# Altium PCB ADS131A04.PcbDoc
Units mil, origin at the board's own origin, x right, y up, seen from the top; angles counter-clockwise.
Board outline 2190 x 1496.06 mil, 2 copper layers (Top Layer, Bottom Layer); 74 components, 47 nets, 208 pads, 290 vias.
Unrouted connection lines stored in the file: 46.
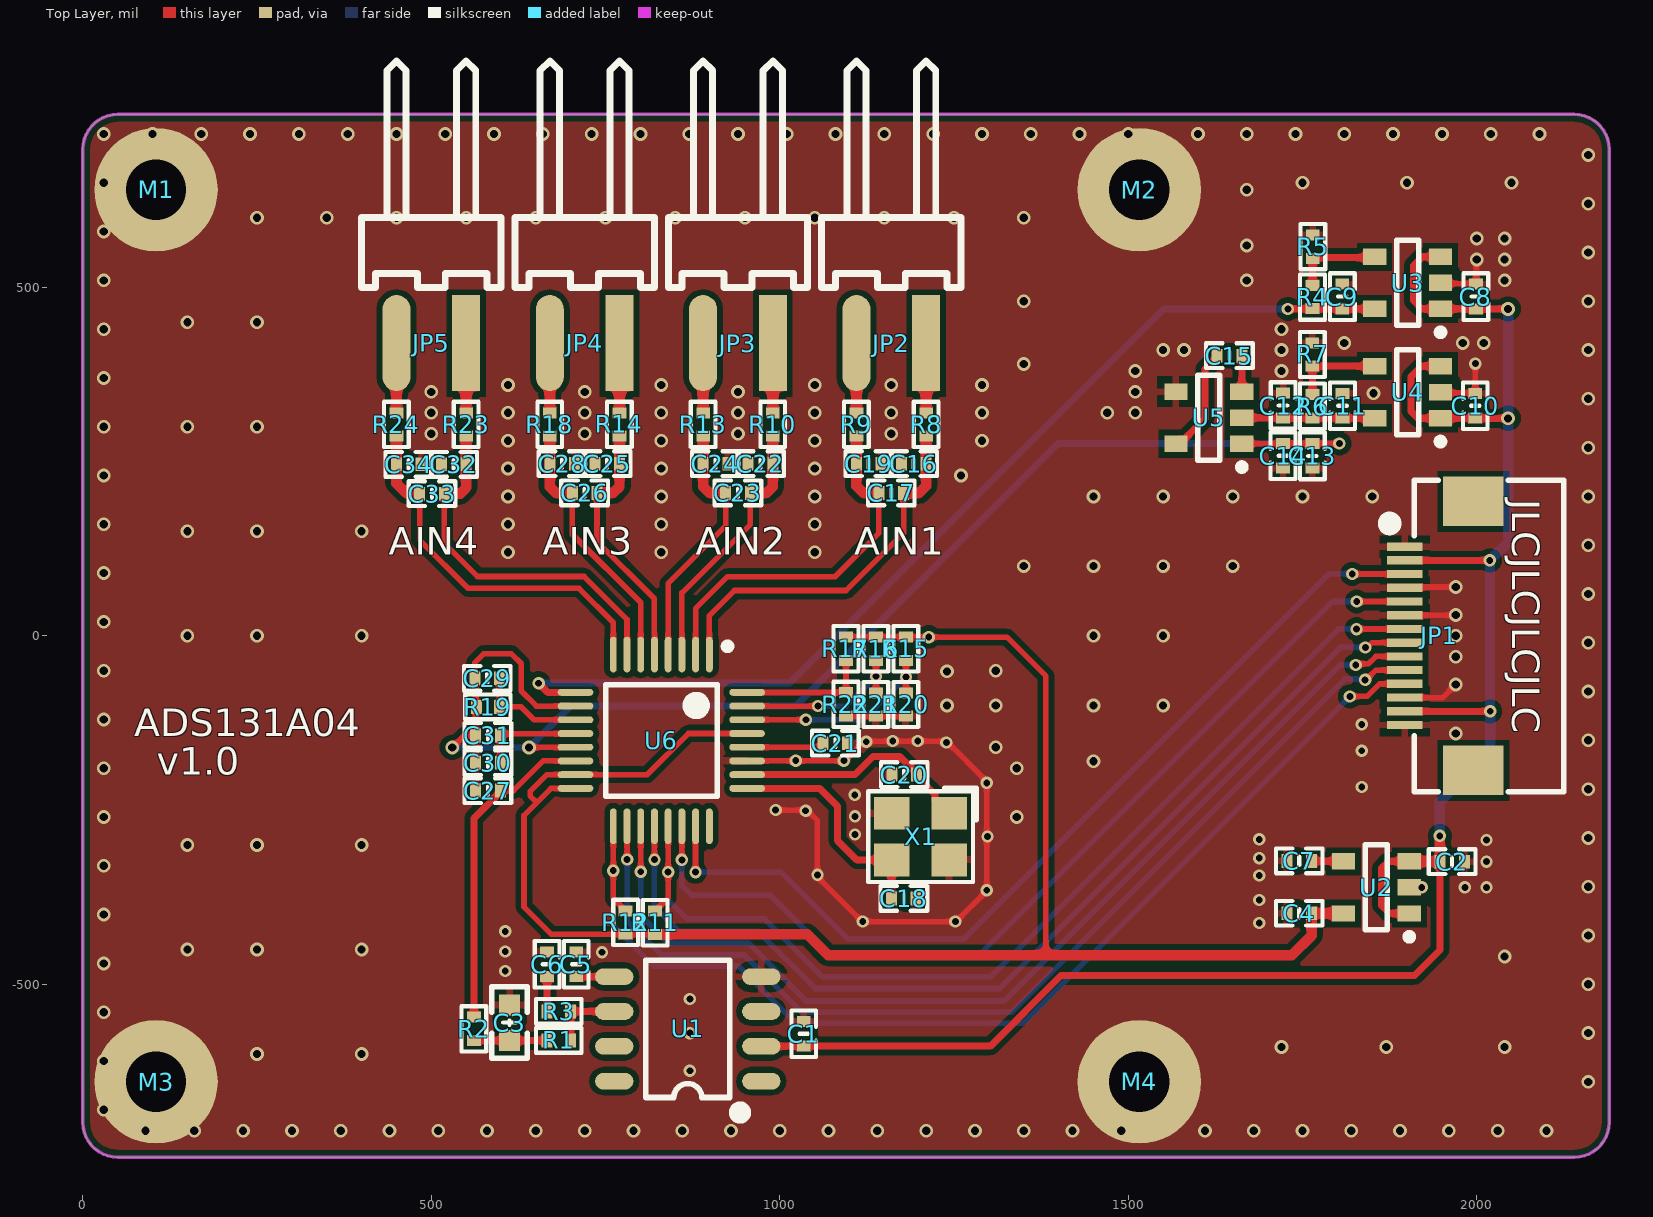
[diagram p0: Top Layer view]
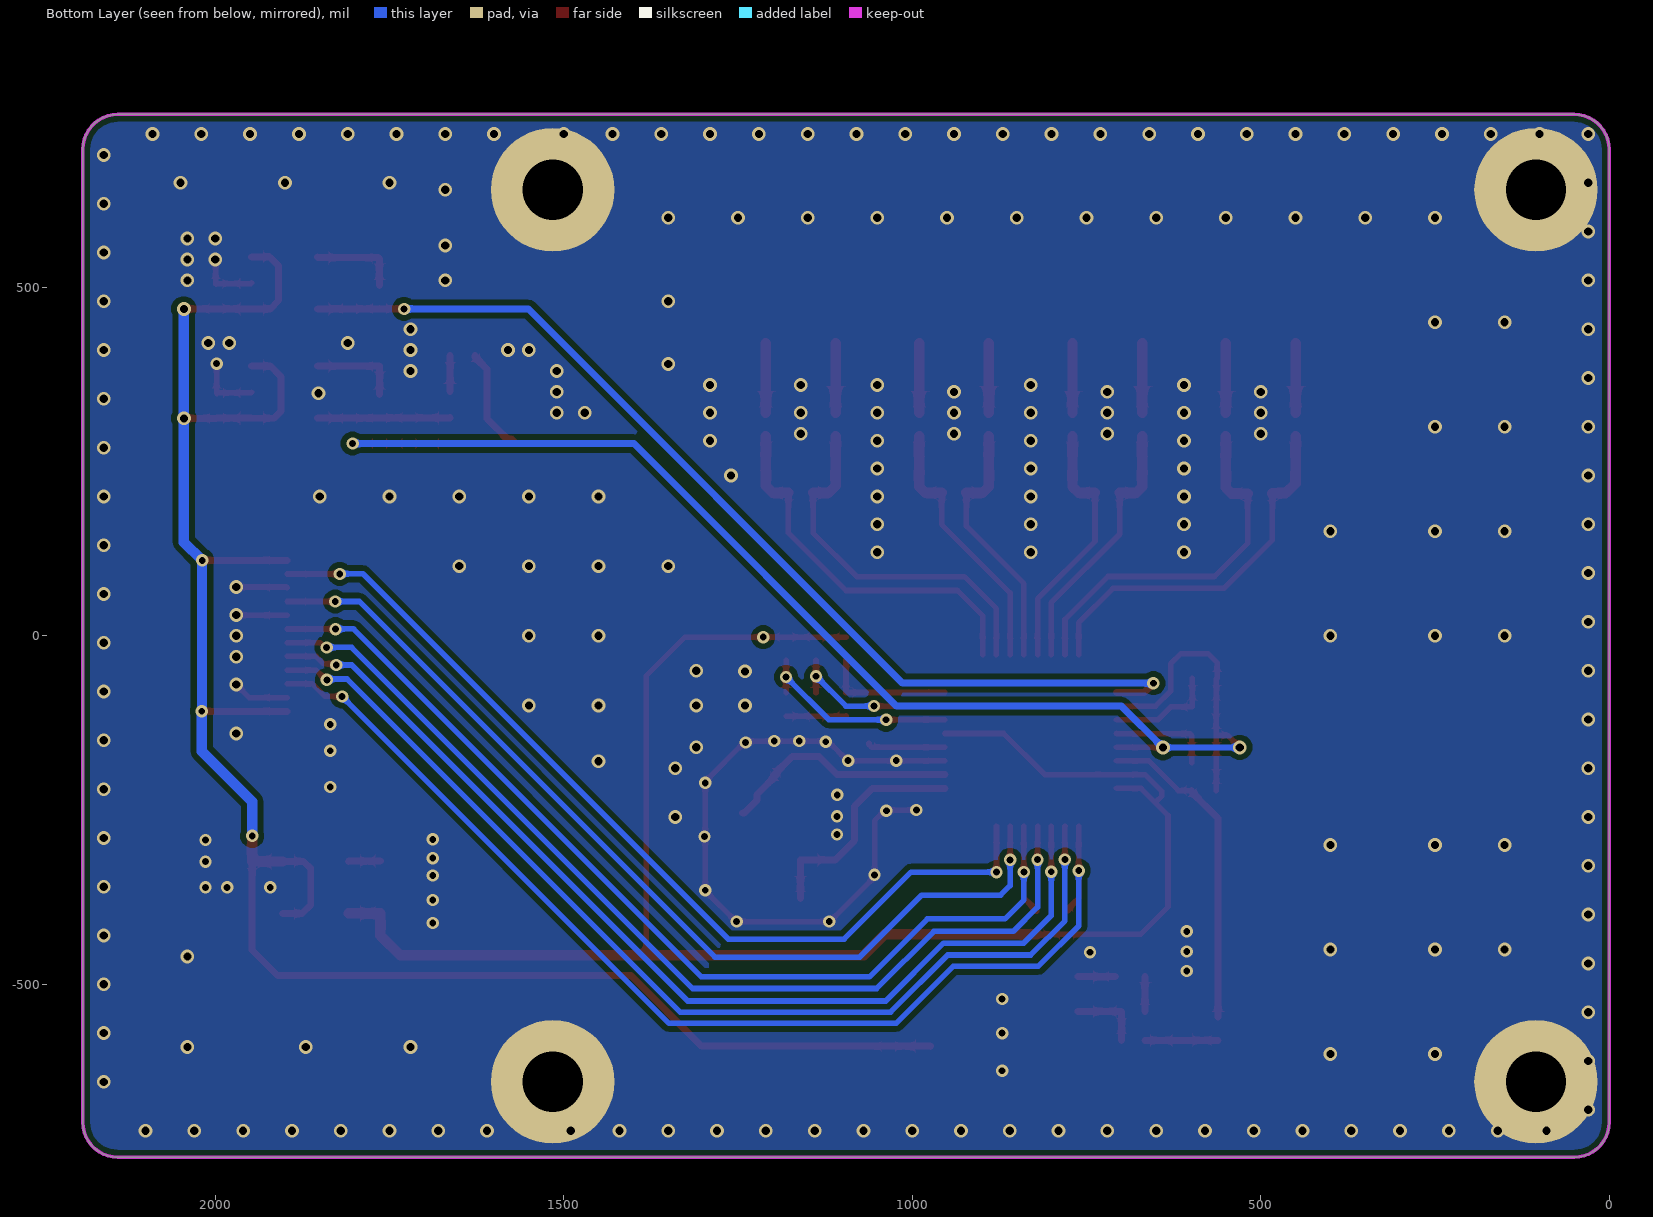
[diagram p1: Bottom Layer view, seen from below]

## Layer stack, top to bottom
Top Solder: solder mask 0.4, Solder Resist, Dk 3.5
Top Layer: signal copper 1.4
Dielectric 1: dielectric 12.6, FR-4, Dk 4.8
Bottom Layer: signal copper 1.4
Bottom Solder: solder mask 0.4, Solder Resist, Dk 3.5

## Board outline
50,-748.03 cw(c50,-698.03) 0,-698.03 0,698.03 cw(c50,698.03) 50,748.03 2140,748.03 cw(c2140,698.03) 2190,698.03 2190,-698.03 cw(c2140,-698.03) 2140,-748.03

## Design rules (kind name [scope] priority, off if disabled: settings)
Clearance Clearance_1 [InPolygon] p1: gap=8 ignorepadtopadclearanceinfootprint=FALSE
Clearance [All] p2: gap=6 ignorepadtopadclearanceinfootprint=FALSE
MinimumSolderMaskSliver [All] p1: minsoldermaskwidth=0
PolygonConnect M2 [HasFootprint('M2')] p1: connectstyle=Direct reliefconductorwidth=10 reliefentries=4 polygonreliefangle="90 Angle" airgapwidth=10
PolygonConnect [All] p2: thpad.connectstyle=Relief thpad.reliefconductorwidth=10 thpad.reliefentries=4 thpad.polygonreliefangle="90 Angle" thpad.airgapwidth=10 smdpad.connectstyle=Relief smdpad.reliefconductorwidth=10 smdpad.reliefentries=4 smdpad.polygonreliefangle="90 Angle" smdpad.airgapwidth=10 via.connectstyle=Direct via.reliefconductorwidth=10 via.reliefentries=4 via.polygonreliefangle="90 Angle" via.airgapwidth=10
RoutingVias [All] p1: holewidth=9.84 width=17.72 viastyle="Through Hole" minholewidth=9.84 minwidth=17.72 maxholewidth=23.62 maxwidth=31.5
SilkToSilkClearance [All] p1: silktosilkclearance=0
SilkToSolderMaskClearance [IsPad] p1: minsilkscreentomaskgap=0 clearancetoexposedcopper=TRUE
SolderMaskExpansion [IsVia] p1: expansion=4 istentingtop=TRUE useseparateexpansions=TRUE expansionbottom=4 istentingbottom=TRUE
Width [All] p1: maxlimit=50 minlimit=6 preferedwidth=6
27 further rules are at their usual default settings.

## Classes and differential pairs
component class Power: C1 C2 C3 C4 C5 C6 C7 C8 C9 C10 C11 C12 C13 C14 C15 JP1 M1 M2 M3 M4 R1 R2 R3 R4 R5 R6 R7 U1 U2 U3 U4 U5
component class ADS131A04: C16 C17 C18 C19 C20 C21 C22 C23 C24 C25 C26 C27 C28 C29 C30 C31 C32 C33 C34 JP2 JP3 JP4 JP5 R8 R9 R10 R11 R12 R13 R14 R15 R16 R17 R18 R19 R20 R21 R22 R23 R24 U6 X1

## Components (designator, comment, footprint, x,y, rotation, side; value= is the part's Value field where it differs from the comment)
C1 "1uF" C0402_L 1034.42,-570.99 r270 top
C2 "1uF" C0402_L 1964.71,-324 r180 top
C3 "10uF" C0603_L 612.32,-555 r270 top
C4 "1uF" C0402_L 1745.29,-398 r0 top
C5 "1000pF" C0402_L 708,-471.29 r270 top
C6 "1uF" C0402_L 666,-471.29 r270 top
C7 "10nF" C0402_L 1745.29,-323 r0 top
C8 "1uF" C0402_L 1998.79,486.8 r270 top
C9 "1uF" C0402_L 1807.15,486.82 r270 top
C10 "1uF" C0402_L 1997.91,329.99 r270 top
C11 "1uF" C0402_L 1807.39,330.04 r270 top
C12 "0.01uF" C0402_L 1722.04,330.45 r270 top
C13 "1uF" C0402_L 1764.26,258.22 r90 top
C14 "0.01uF" C0402_L 1722.02,258.36 r90 top
C15 "1uF" C0402_L 1645.22,401.99 r180 top
C16 "100pF" C0402_L 1192.29,247 r0 top
C17 "4.7nF" C0402_L 1160,205 r0 top
C18 "30pF" C0402_L 1178.03,-376.82 r0 top
C19 "100pF" C0402_L 1127.72,247 r0 top
C20 "30pF" C0402_L 1178.5,-199.07 r180 top
C21 "1uF" C0402_L 1079.72,-154 r0 top
C22 "100pF" C0402_L 972.29,247 r0 top
C23 "4.7nF" C0402_L 940,205 r0 top
C24 "100pF" C0402_L 907.72,247 r0 top
C25 "100pF" C0402_L 752.29,247 r0 top
C26 "4.7nF" C0402_L 720,205 r0 top
C27 "1uF" C0402_L 581.28,-222 r180 top
C28 "100pF" C0402_L 687.72,247 r0 top
C29 "270nF" C0402_L 580.28,-61 r180 top
C30 "1uF" C0402_L 581.28,-182 r180 top
C31 "0.1uF" C0402_L 581.28,-143 r180 top
C32 "100pF" C0402_L 532.29,246 r0 top
C33 "4.7nF" C0402_L 501,204 r0 top
C34 "100pF" C0402_L 467.72,246 r0 top
JP1 "HDR-1X14" FPC0.5-WT-14P 1995,0 r270 top
JP2 "HDR-1X2" HDR2.54-WS-2P 1160,420 r180 top
JP3 "HDR-1X2" HDR2.54-WS-2P 940,420 r180 top
JP4 "HDR-1X2" HDR2.54-WS-2P 720,420 r180 top
JP5 "HDR-1X2" HDR2.54-WS-2P 500,420 r180 top
M1 "M2" M2 105,640 r0 top
M2 "M2" M2 1515.94,640 r0 top
M3 "M2" M2 105,-640 r0 top
M4 "M2" M2 1515.94,-640 r0 top
R1 "100R" R0402_L 682.91,-580.61 r180 top
R2 "NC/0R" R0402_L 561.24,-563.85 r90 top
R3 "1R" R0402_L 682.84,-538.97 r0 top
R4 "340K/1%" R0402_L 1764.33,486.07 r270 top
R5 "160K/1%" R0402_L 1764.8,558.43 r90 top
R6 "340K/1%" R0402_L 1764.19,329.37 r270 top
R7 "160K/1%" R0402_L 1764.15,403.66 r90 top
R8 "100R" R0402_L 1210,303.27 r270 top
R9 "100R" R0402_L 1110,303.27 r270 top
R10 "100R" R0402_L 989.98,303.27 r270 top
R11 "100K" R0402_L 821.02,-411.64 r270 top
R12 "100K" R0402_L 778.71,-411.26 r270 top
R13 "100R" R0402_L 890,303.27 r270 top
R14 "100R" R0402_L 770,303.27 r270 top
R15 "NC/0R" R0402_L 1181,-18.54 r90 top
R16 "NC/0R" R0402_L 1138,-18.54 r90 top
R17 "NC/0R" R0402_L 1095,-18.54 r90 top
R18 "100R" R0402_L 670,303.27 r270 top
R19 "NC/0R" R0402_L 581.27,-102 r180 top
R20 "NC/0R" R0402_L 1181,-98.54 r90 top
R21 "NC/0R" R0402_L 1138,-98.54 r90 top
R22 "NC/0R" R0402_L 1095,-98.27 r90 top
R23 "100R" R0402_L 550,303.27 r270 top
R24 "100R" R0402_L 450,303.27 r270 top
U1 "REF5025AIDR" SOIC-8L 868,-564 r180 top
U2 "LP2992-3.3" SOT23-5L 1856,-361 r180 top
U3 "SGM2036" SOT23-5L 1900.76,506.4 r180 top
U4 "SGM2036" SOT23-5L 1900.76,349.6 r180 top
U5 "TPS60403" SOT23-5L 1615.69,312.99 r180 top
U6 "ADS131A04" "TQFP32 5x5_L" 830,-150 r180 top
X1 "16.384MHz" XTAL-3225-4P 1202,-288 r180 top

## Footprints (in the part's own frame and the unit in brackets; to place one, negate y for a bottom-side part, rotate by r counter-clockwise, add the part's x,y. Pads: shape width x height; smd on the part's side, far side on the other; paste and mask are expansions set on the pad)
C0402_L [mm] "无极性贴片电容"
  rect 0.4x0.5 smd: 1(-0.45,0) 2(0.45,0)
  silkscreen extent -0.85,-0.45 0.85,0.45, body extent -0.5,-0.26 0.5,0.26, height 0.54
C0603_L [mil] "无极性贴片电容"
  rect 30x30 smd: 1(-25.59,0) 2(25.59,0)
  silkscreen extent -51,-26 51,26, body extent -31,-16 32,16, height 33
FPC0.5-WT-14P [mm] "长：11.2mm，宽：5.2mm，高：2mm"
  rect 1.8x2.2 smd: 0(-4.9,0) 0(4.9,0)
  rect 0.3x1.3 smd: 1(-3.25,-2.497) 2(-2.75,-2.497) 3(-2.25,-2.497) 4(-1.75,-2.497) 5(-1.25,-2.497) 6(-0.75,-2.497) 7(-0.25,-2.497) 8(0.25,-2.497) 9(0.75,-2.497) 10(1.25,-2.497) 11(1.75,-2.497) 12(2.25,-2.497) 13(2.75,-2.497) 14(3.25,-2.497)
  silkscreen extent -5.68,-3.23 5.68,3.3, body extent -5.6,-2.85 5.6,3.15, height 2
HDR2.54-WS-2P [mm] "2P卧式贴片排针2.54"
  rect 1.02x3.5 smd: 1(-1.27,0)
  oval 1.02x3.5 smd: 2(1.27,0)
  silkscreen extent -2.54,-10.29 2.54,-2.03, body extent -2.54,-10.34 2.54,0.76, height 2.59
M2 [mm]
  round 4.5 hole 2.2: 1(0,0)
R0402_L [mm] "1/16W贴片电阻"
  rect 0.4x0.5 smd: 1(-0.425,0) 2(0.425,0)
  silkscreen extent -0.82,-0.45 0.83,0.45, body extent -0.5,-0.25 0.5,0.25, height 0.3
SOIC-8L [mm] "封装库来自淘宝卖家 ID：黄晶宝石，其他均为盗版"
  oval 1.397x0.61 smd: 1(-2.68,1.905) 2(-2.68,0.635) 3(-2.68,-0.635) 4(-2.68,-1.905) 5(2.68,-1.905) 6(2.68,-0.635) 7(2.68,0.635) 8(2.68,1.905)
  silkscreen extent -2.06,-2.5 1.52,3.2, body extent -3,-2.5 3,2.5, height 1.9
SOT23-5L [mm] "SOT23, 5-Leads, Body 2.9x1.6mm, Pitch 0.95mm, IPC High Density"
  rect 0.85x0.6 smd: 1(-1.2,0.95) 2(-1.2,0) 3(-1.2,-0.95) 4(1.2,-0.95) 5(1.2,0.95)
  silkscreen extent -1.33,-1.55 0.4,1.92, body extent -1.4,-1.5 1.4,1.5, height 1.15
"TQFP32 5x5_L" [mm] "32脚，体宽：5x5mm, 脚距：0.5mm          淘宝ID:黄晶宝石"
  oval 0.25x1.3 smd: 1(-1.75,-3.127) 2(-1.25,-3.127) 3(-0.75,-3.127) 4(-0.25,-3.127) 5(0.25,-3.127) 6(0.75,-3.127) 7(1.25,-3.127) 8(1.75,-3.127) 17(1.75,3.127) 18(1.25,3.127) 19(0.75,3.127) 20(0.25,3.127) 21(-0.25,3.127) 22(-0.75,3.127) 23(-1.25,3.127) 24(-1.75,3.127)
  oval 1.3x0.25 smd: 9(3.127,-1.75) 10(3.127,-1.25) 11(3.127,-0.75) 12(3.127,-0.25) 13(3.127,0.25) 14(3.127,0.75) 15(3.127,1.25) 16(3.127,1.75) 25(-3.127,1.75) 26(-3.127,1.25) 27(-3.127,0.75) 28(-3.127,0.25) 29(-3.127,-0.25) 30(-3.127,-0.75) 31(-3.127,-1.25) 32(-3.127,-1.75)
  silkscreen extent -2.54,-3.55 2.03,2.03, body extent -3.5,-3.5 3.5,3.5, height 1.05
XTAL-3225-4P [mm] "3.2*2.5*0.7mm(长宽高)                             淘宝ID:黄晶宝石"
  rect 1.3x1.2 smd: 1(-1.05,-0.85) 2(1.05,-0.85) 3(1.05,0.85) 4(-1.05,0.85)
  silkscreen extent -2.03,-1.75 1.91,1.65, body extent -1.6,-1.25 1.6,1.25, height 0.7

## Part data
C1 C2 C3 C4 C5 C6 C7 C8 C9 C10 C11 C12 C13 C14 C15 C16 C17 C18 C19 C20 C21 C22 C23 C24 C25 C26 C27 C28 C29 C30 C31 C32 C33 C34: library part C, "贴片电容", BOM名称=无极性贴片电容, 联系卖家，免费查找封装=唯一出售店铺网址https://shop463601444.taobao.com
JP1: library part "Header 14", "14P接插件", BOM名称=14P接插件, 封装库来自淘宝卖家 ID：黄晶宝石=其他店铺购入均为盗版假冒封装库, 联系卖家，免费查找封装=唯一出售店铺网址https://shop463601444.taobao.com
JP2 JP3 JP4 JP5: library part "Header 2", "2P接插件", BOM名称=2P接插件, 封装库来自淘宝卖家 ID：黄晶宝石=其他店铺购入均为盗版假冒封装库, 联系卖家，免费查找封装=唯一出售店铺网址https://shop463601444.taobao.com
M1 M2 M3 M4: library part M2系列, "M2孔支撑柱"
R1 R2 R3 R4 R5 R6 R7 R8 R9 R10 R11 R12 R13 R14 R15 R16 R17 R18 R19 R20 R21 R22 R23 R24: library part R, "贴片电阻", BOM名称=贴片电阻, 联系卖家，免费查找封装=唯一出售店铺网址https://shop463601444.taobao.com
U1: "3uVpp/V噪声 3ppm/℃漂移 电压基准 0.05%"
U2: library part LP2992
U3 U4: "可调LDO"
U5: library part TPS6040x, "非稳压60mA电荷泵电压逆变器"
U6: "4通道差分24位ADC"
X1: library part XTAL-4P, "4脚无源晶振(谐振器）", BOM名称=4脚无源晶振(谐振器）, 联系卖家，免费查找封装=唯一出售店铺网址https://shop463601444.taobao.com

## Via types
v1: diameter 19.68, hole 11.81, Top Layer to Bottom Layer, tented both sides, 227 vias
v2: diameter 17.72, hole 9.84, Top Layer to Bottom Layer, tented both sides, 63 vias

## Nets (pads, with @x,y where several pads share a name; then routed paths per layer and width w, separated by ;. In a path a pad name is that pad's centre, name@x,y a point inside that pad or via, vN(x,y) a via of type N, cw(c..) or ccw(c..) an arc to the next point about the centre after c; other vN are vias at no path point)
+2V5: C9.2 R4.2 U3.5 U6.9 | length 1480.5
  Top Layer w10: v2(654,-68) 667.1,-81.1 U6.9 ; v2(1729,469) 1729.17,469.17 1764.16,469.17 R4.2 1764.45,469.22 1807.03,469.22 C9.2 1807.2,469.05 1853.46,469.05 U3.5
  Bottom Layer w10: v2(654,-68) 1013.78,-68 1550.78,469 v2(1729,469)
-2V5: C13.2 C14.2 C27.2 C29.2 C30.2 C31.2 R19.2 U5.1 U6.10 U6.13 | length 2090.2
  Top Layer w8: v1(530.16,-160.16) 547.8,-142.51 C31.2@564.05,-142.51 ; C27.2 C30.2 C31.2 C31.2@564.05,-142.51 ; v1(640.16,-160.35) 640.41,-160.1 706.63,-160.1 U6.13 ; U6.10 650.79,-100.79 629,-79 629,-40 614.82,-25.82 575.13,-25.82 562.57,-38.38 C29.2 563.55,-61.98 563.55,-101.02 R19.2 564.05,-102.48 C31.2@564.05,-142.51 ; U5.1 1663.18,275.83 1721.78,275.83 C14.2 1722.09,276 1764.2,276 C13.2 v2(1802.93,275.93)
  Bottom Layer w8: v1(530.16,-160.16) 530.25,-160.26 640.06,-160.26 v1(640.16,-160.35)
  Bottom Layer w10: v1(640.16,-160.35) 699.51,-101 1022.27,-101 1399.21,275.93 v2(1802.93,275.93)
ADS_CS: JP1.3 U6.23 | length 1340.8
  Top Layer w8: v2(879,-339) 879.11,-338.89 879.11,-273.22 U6.23 ; v2(1821.47,88.79) 1821.57,88.69 1896.59,88.69 JP1.3
  Bottom Layer w8: v2(879,-339) 1001.68,-339 1097.8,-435.12 1264,-435.12 1788.12,89 1821.26,89 v2(1821.47,88.79)
ADS_DIN: JP1.8 U6.20 | length 1446.5
  Top Layer w8: v2(820.16,-321.16) U6.20 ; v2(1840.18,-16.7) 1842.81,-16.7 1849.67,-9.84 JP1.8
  Bottom Layer w8: v2(820.16,-321.16) 820.16,-389.16 855,-424 969,-424 1051,-506 1315,-506 1804.3,-16.7 v2(1840.18,-16.7)
ADS_DONE: JP1.10 U6.18 | length 1510.3
  Top Layer w8: U6.18 781,-273.32 780.89,-273.43 780.89,-320.89 v2(781,-321) ; v2(1839.82,-63.18) 1841.38,-63.18 1855.35,-49.21 JP1.10
  Bottom Layer w8: v2(781,-321) 781,-409 830,-458 949,-458 1031,-540 1333,-540 1811,-62 1838.64,-62 v2(1839.82,-63.18)
ADS_DOUT: JP1.7 R11.1 U6.21 | length 1480.3
  Top Layer w8: R11.1 822.99,-394.9 826.87,-391.03 826.87,-389.06 839.84,-376.08 v2(839.84,-338.84) U6.21 ; v2(1827.49,9.67) 1827.58,9.76 1896.61,9.76 JP1.7
  Bottom Layer w8: v2(839.84,-338.84) 839.84,-378.94 867.03,-406.12 978.31,-406.12 1061.49,-489.3 1302.5,-489.3 1801.64,9.84 1827.32,9.84 v2(1827.49,9.67)
ADS_DRDY: JP1.9 U6.19 | length 1480.2
  Top Layer w8: v2(800.47,-338.47) U6.19 ; v2(1826.46,-41.91) 1828.32,-40.05 1844.71,-40.05 1855.24,-29.53 JP1.9
  Bottom Layer w8: v2(800.47,-338.47) 800.47,-401.47 840,-441 955,-441 1038,-524 1322,-524 1804.09,-41.91 v2(1826.46,-41.91)
ADS_RESET: JP1.11 R12.1 U6.17 | length 1604.2
  Top Layer w8: U6.17 v2(761.1,-336.9) 761.1,-376.92 772.87,-388.69 772.87,-390.66 776.74,-394.53 R12.1 ; v2(1818,-87) 1842.66,-87 1860.66,-69.01 JP1.11@1896.58,-69.01
  Bottom Layer w8: v2(761.1,-336.9) 761.1,-416.1 819,-474 941,-474 1023,-556 1349,-556 v2(1818,-87)
ADS_SCLK: JP1.5 U6.22 | length 1376.5
  Top Layer w8: v2(859.53,-321.53) U6.22 ; v2(1827.86,49.3) v2(1827.86,49.3) 1896.65,49.25 JP1.5
  Bottom Layer w8: v2(859.53,-321.53) 859.53,-358.53 873.1,-372.09 986.28,-372.09 1075.29,-461.1 1282.91,-461.1 1793.31,49.3 v2(1827.86,49.3)
AIN1N: C16.2 C17.2 R8.2 U6.1 | length 549.1
  Top Layer w8: U6.1 898.9,28.9 935,65 1095,65 1177.71,147.71 C17.2
  Top Layer w15: C17.2 1200,205 1210,215 C16.2 R8.2
AIN1P: C17.1 C19.1 R9.2 U6.2 | length 539.3
  Top Layer w8: U6.2 879.21,39.21 925,85 1079.54,85 1142.28,147.74 C17.1
  Top Layer w15: R9.2 C19.1 1110,215 1120,205 C17.1
AIN2N: C22.2 C23.2 R10.2 U6.3 | length 381.2
  Top Layer w8: U6.3 859.53,61.53 957.71,159.71 C23.2
  Top Layer w15: C23.2 981.2,205 989.99,213.78 C22.2 R10.2
AIN2P: C23.1 C24.1 R13.2 U6.4 | length 374.6
  Top Layer w8: U6.4 839.84,74.84 922.28,157.28 C23.1
  Top Layer w15: R13.2 C24.1 890,214 899,205 C23.1
AIN3N: C25.2 C26.2 R14.2 U6.5 | length 374.6
  Top Layer w8: C26.2 737.71,135.59 820.16,53.14 U6.5
  Top Layer w15: C26.2 761,205 770,214 C25.2 R14.2
AIN3P: C26.1 C28.1 R18.2 U6.6 | length 381.2
  Top Layer w8: C26.1 702.28,145.72 800.47,47.53 U6.6
  Top Layer w15: R18.2 670,213.79 678.79,205 C26.1
AIN4N: C32.2 C33.2 R23.2 U6.7 | length 537.7
  Top Layer w8: C33.2 518.71,132.75 566.32,85.14 719.17,85.14 780.79,23.53 U6.7
  Top Layer w15: C33.2 541.21,204 550,212.78 C32.2 R23.2
AIN4P: C33.1 C34.1 R24.2 U6.8 | length 546.3
  Top Layer w8: C33.1 483.28,137.72 553,68 712,68 761.1,18.9 U6.8
  Top Layer w15: R24.2 450,219 464.37,204.63 482.91,204.63 483.28,204.25 C33.1
GND: C1.1 C2.1 C3.1 C4.1 C5.1 C6.1 C7.1 C8.1 C9.1 C10.1 C11.1 C12.1 C13.1 C14.1 C16.1 C18.2 C19.2 C20.2 C21.2 C22.1 C24.2 C25.1 C28.2 C32.1 C34.2 JP1.1 JP1.4 JP1.6 JP1.12 JP1.14 M1.1 M2.1 M3.1 M4.1 R5.2 R7.2 R20.1 R21.1 R22.1 U1.4 U2.2 U3.2 U4.2 U5.4 U6.27 X1.2 X1.4 | length 1467.2
  Top Layer w8: U6.27 1092.47,-179.53 1121,-151 1239,-151 1297,-209 1297,-366 1253,-410 1118,-410 1054,-346 1054,-265 1039,-250 v2(994,-250) ; R22.1 1095.13,-115.13 1137.87,-115.13 R21.1 R20.1 ; JP1.12 1951.42,-88.58 v1(1970,-70) ; JP1.6 1969.53,29.53 v1(1970,30) ; JP1.4 1897.79,70 v1(1970,70) ; U4.2 1948.95,348.65 1996.96,348.65 C10.1 1997.96,347.76 v2(1998.01,390.6) v2(1998.01,390.6) ; U3.2 1948.94,505.46 1997.84,505.46 C8.1 1999.39,505.12 1999.39,539.39 v1(2000,540)
  other v1: 90,-710 160,-710 230,-710 300,-710 370,-710 440,-710 510,-710 580,-710 650,-710 720,-710 790,-710 860,-710 930,-710 1000,-710 1070,-710 1140,-710 1210,-710 1280,-710 1350,-710 1420,-710 1490,-710 1610,-710 1680,-710 1750,-710 1820,-710 1890,-710 1960,-710 2030,-710 2100,-710 30,-680 2160,-640 30,-610 250,-600 400,-600 1720,-590 1870,-590 2040,-590 2160,-570 30,-540 2160,-500 30,-470 2040,-460 150,-450 250,-450 400,-450 2160,-430 30,-400 2160,-360 30,-330 150,-300 250,-300 400,-300 2160,-290 30,-260 1340,-260 2160,-220 30,-190 1340,-190 1450,-180 1310,-160 2160,-150 1970,-140 30,-120 1240,-100 1310,-100 1450,-100 1550,-100 2160,-80 1240,-51 30,-50 1310,-50 1970,-30 2160,-10 150,0 250,0 400,0 1450,0 1550,0 1970,0 30,20 2160,60 30,90 1350,100 1450,100 1550,100 1650,100 610,120 830,120 1050,120 2160,130 150,150 250,150 400,150 30,160 610,160 830,160 1050,160 610,200 830,200 1050,200 1450,200 1550,200 1650,200 1750,200 1850,200 2160,200 30,230 1260,230 610,240 830,240 1050,240 2160,270 610,280 830,280 1050,280 1290,280 500,290 720,290 940,290 1160,290 30,300 150,300 250,300 500,320 610,320 720,320 830,320 940,320 1050,320 1160,320 1290,320 1470,320 1510,320 2160,340 1852,348 500,350 720,350 940,350 1510,350 610,360 830,360 1050,360 1160,360 1290,360 30,370 1510,380 1720,380 1350,390 1550,410 1580,410 1720,410 2160,410 1810,420 1980,420 2010,420 30,440 1720,440 150,450 250,450 1350,480 2160,480 30,510 1670,510 2040,510 2040,540 2160,550 1670,560 2000,570 2040,570 30,580 250,600 350,600 450,600 550,600 650,600 750,600 850,600 950,600 1050,600 1150,600 1250,600 1350,600 2160,620 1670,640 30,650 1750,650 1900,650 2050,650 2160,690 30,720 100,720 170,720 240,720 310,720 380,720 450,720 520,720 590,720 660,720 730,720 800,720 870,720 940,720 1010,720 1080,720 1150,720 1220,720 1290,720 1360,720 1430,720 1500,720 1600,720 1670,720 1740,720 1810,720 1880,720 1950,720 2020,720 2090,720
  other v2: 871,-624 871,-570 871,-521 606,-481 745,-454 606,-453 606,-424 1688,-412 1119,-410 1252,-410 1688,-379 1297,-365 1921,-361 1983,-361 2014,-361 1688,-344 1054,-343 2014,-324 1688,-319 2014,-293 1688,-292 1298,-288 1108,-285 1108,-259 1037,-251 1107.56,-228.26 1835,-217 1297,-211 1023,-179 1092,-179 1835,-165 1239,-153 1124,-152 1162,-151 1198,-151 1835,-127
M0: R15.1 R20.2 U6.30 | length 299.9
  Top Layer w8: U6.30 v2(1037.47,-120.47) ; R20.2 v2(1181,-59) R15.1
  Bottom Layer w8: v2(1037.47,-120.47) 1119.53,-120.47 v2(1181,-59)
M1: R16.1 R21.2 U6.31 | length 249.1
  Top Layer w8: U6.31 v2(1054.79,-100.79) ; R21.2 v2(1138,-58) R16.1
  Bottom Layer w8: v2(1054.79,-100.79) 1095.21,-100.79 v2(1138,-58)
M2: R17.1 R22.2 U6.32 | length 188.3
  Top Layer w8: U6.32 953.33,-81.32 1094.78,-81.32 R22.2 R17.1
NetC3_2: C3.2 R1.2 R2.1 | length 105
  Top Layer w10: R2.1 C3.2 ; C3.2 R1.2
NetC5_2: C5.2 U1.5 | length 54.5
  Top Layer w10: C5.2 U1.5
NetC6_2: C6.2 R3.1 | length 50
  Top Layer w10: C6.2 666.05,-489.05 666.05,-538.92 R3.1
NetC7_2: C7.2 U2.4 | length 46
  Top Layer w10: C7.2 1763.3,-323.3 1808.46,-323.3 U2.4
NetC15_1: C15.1 U5.3 | length 51.6
  Top Layer w10: U5.3 C15.1
NetC15_2: C15.2 U5.5 | length 154.2
  Top Layer w10: U5.5 1575.26,282.39 1580.94,282.39 1610,311.46 1610,382.51 1627.51,400.02 C15.2
NetC21_1: C21.1 U6.28 | length 112.5
  Top Layer w8: U6.28 1058.13,-159.84 1062,-155.97 C21.1
NetC29_1: C29.1 R19.1 U6.11 | length 157.5
  Top Layer w8: C29.1 R19.1 629,-102 647.47,-120.47 U6.11
NetC30_1: C30.1 C31.1 U6.12 | length 148.1
  Top Layer w8: C30.1 C31.1 601.49,-140.51 706.54,-140.51 U6.12
NetJP2_1: JP2.1 R8.1 | length 100
  Top Layer w15: R8.1 JP2.1
NetJP2_2: JP2.2 R9.1 | length 100
  Top Layer w15: R9.1 JP2.2
NetJP3_1: JP3.1 R10.1 | length 100
  Top Layer w15: R10.1 JP3.1
NetJP3_2: JP3.2 R13.1 | length 100
  Top Layer w15: R13.1 JP3.2
NetJP4_1: JP4.1 R14.1 | length 100
  Top Layer w15: R14.1 JP4.1
NetJP4_2: JP4.2 R18.1 | length 100
  Top Layer w15: R18.1 JP4.2
NetJP5_1: JP5.1 R23.1 | length 100
  Top Layer w15: R23.1 JP5.1
NetJP5_2: JP5.2 R24.1 | length 100
  Top Layer w15: R24.1 JP5.2
NetR1_1: R1.1 R3.2 U1.6 | length 104.6
  Top Layer w10: R1.1 R1.1 R3.2 U1.6
NetR4_1: R4.1 R5.1 U3.4 | length 128.7
  Top Layer w10: R4.1 1764.57,503.03 1764.57,541.47 R5.1 1765.85,542.75 1852.46,542.75 U3.4
NetR6_1: R6.1 R7.1 U4.4 | length 130.2
  Top Layer w10: R6.1 R7.1@1764.17,386.91 ; R7.1 1764.19,386.96 U4.4 U4.4
VCC_2V5: C11.2 C12.2 R6.2 U4.5 U5.2 | length 190.9
  Top Layer w10: U5.2 1663.06,312.86 1721.91,312.86 C12.2 1722.08,312.69 1764.15,312.69 R6.2 1764.35,312.48 1807.23,312.48 C11.2 1807.45,312.26 1853.45,312.26 U4.5
VCC_3V3: C4.2 R11.2 R12.2 R15.2 R16.2 R17.2 U2.5 U6.15 U6.16 U6.29 | length 2586.9
  Top Layer w8: 650.71,-238.76 641.79,-229.84 641.79,-223.21 665.79,-199.21 U6.15 809.79,-199.21 868.84,-140.16 U6.29 ; 671.7,-218.9 633,-257.6 633,-389 672.37,-428.37 R11.2 820.84,-428.18 778.9,-428.18 R12.2 ; 672.5,-218.9 U6.16 ; R17.2 R16.2 R15.2 v2(1213.8,-1.8) 1325.8,-1.8 1381.72,-57.72 1381.72,-458.34 ; C4.2 C4.2@1763.2,-398.2 ; U2.5@1808.56,-398.2 U2.5
  Top Layer w15: R11.2 1039.37,-428.37 1069.34,-458.34 1381.72,-458.34 1734.66,-458.34 1763,-430 C4.2 ; C4.2@1763.2,-398.2 U2.5@1808.56,-398.2
VCC_5V: C1.2 C2.2 C8.2 C10.2 JP1.2 JP1.13 U1.2 U2.1 U2.3 U3.1 U3.3 U4.1 U4.3 | length 2899.1
  Top Layer w10: U1.2 973.66,-588.85 C1.2@1034.26,-588.85 ; C1.2 C1.2@1034.26,-588.85 ; JP1.13 v2(2019.32,-108.27) ; JP1.2 v2(2018.73,108.27) ; U2.1 1875.4,-398.4 1863,-386 1863,-334 1873.4,-323.6 U2.3 U2.3@1903.44,-323.8 ; C2.2@1946.8,-323.8 C2.2 1947,-450.83 1910.39,-487.44 1403.56,-487.44 1302.15,-588.85 C1.2@1034.26,-588.85 ; U4.3 1921,387 1906,372 1906,322 1915.8,312.2 U4.1 U4.1 1997.86,312.24 C10.2 1998.04,312.14 2044.86,312.14 v1(2045,312) ; U3.3 1921.8,543.8 1909,531 1909,481 1921,469 U3.1 U3.1 1998.74,469.04 C8.2 1998.82,469.04 v1(2045,469) v1(2045,469)
  Top Layer w15: U2.3@1903.44,-323.8 C2.2@1946.8,-323.8 ; C2.2 v2(1947,-287)
  Bottom Layer w15: v2(1947,-287) 1947,-238 2019.32,-165.68 v2(2019.32,-108.27) 2019.02,-107.97 2019.02,107.98 v2(2018.73,108.27) 2045,134.54 v1(2045,312) v1(2045,469)
VREF: C27.1 R2.2 U6.14 | length 466.2
  Top Layer w8: C27.1 618,-222 660.47,-179.53 U6.14
  Top Layer w10: R2.2 561.24,-261.73 599,-223.97 C27.1
XTAL1: C18.1 U6.25 X1.3 | length 334.5
  Top Layer w8: X1.3@1160.31,-321.82 X1.3
  Top Layer w10: U6.25 1057.35,-218.9 1083,-244.55 1083,-294 1110.46,-321.46 X1.3 ; C18.1 X1.3@1160.31,-321.82
XTAL2: C20.1 U6.26 X1.1 | length 342.1
  Top Layer w10: U6.26 1107.79,-199.21 1134,-173 1172.12,-173 1196.22,-197.1 C20.1 1196.22,-201.04 1222.75,-227.57 1222.75,-235.91 1241.37,-254.54 X1.1
pads on no net: JP1.0 U1.1 U1.3 U1.7 U1.8 U6.24

## Polygon pours and split planes (outlines as drawn)
GND on Top Layer "GND_L01_P000" (solid, remove dead copper, pour order 0): -4,752 -4,-753 2193,-753 2193,752
GND on Bottom Layer "GND_L02_P001" (solid, remove dead copper, pour order 1): -4,752 -4,-753 2193,-753 2193,752

## Keep-outs
Keep-Out Layer:
  lines w5: 0,-698.03 ccw(c50,-698.03) 50,-748.03 2140,-748.03 ccw(c2140,-698.03) 2190,-698.03 2190,698.03 ccw(c2140,698.03) 2140,748.03 1930,748.03 50,748.03 ccw(c50,698.03) 0,698.03 0,-698.03

## Silkscreen, mask and mechanical layers (free items; w line width, h text height)
Top Overlay:
  text "JLCJLCJLCJLC" at 2051,196.1 h40 r270
  text "AIN4" at 438.77,116 h40
  text "AIN3" at 659.73,116 h40
  text "AIN2" at 879.73,116 h40
  text "AIN1" at 1107.06,116 h40
  text "ADS131A04" at 73.9,-144 h40
  text "v1.0" at 106.37,-199 h40
Top Solder:
  region: -0.26,640 cw(c0.01,640) -0.25,640.03 cw(c0.01,640.06) -0.26,640.06 -0.26,640 ccw(c0.01,640) 0.01,639.74 50,639.74 ccw(c50,640) 50.26,640 cw(c100,640) 100,689.74 2080,689.74 cw(c2080,640) 2129.73,640 2129.73,-640 ccw(c2130,-640) 2130,-640.26 2189.87,-640.26 ccw(c2190,-640.04) 2190.27,-640.04 2190.27,-640 ccw(c2190,-640) 2190.27,-639.95 2190.27,698.03 ccw(c2140,698.03) 2140,748.3 50,748.3 ccw(c50,698.03) -0.27,698.03 ccw(c0,698.03) -0.26,697.96
  region: 50,-748.3 cw(c50,-698.03) -0.27,-698.03 -0.27,698.03 cw(c0,698.03) 0.26,698.03 0.26,640.26 50,640.26 cw(c50,640) 50.26,640 50.26,-640 ccw(c100,-640) 100,-689.74 2080,-689.74 ccw(c2080,-640) 2129.73,-640 cw(c2130,-640) 2130,-639.74 2189.74,-639.74 2189.74,698.03 cw(c2190,698.03) 2190.27,698.03 2190.27,-639.95 cw(c2190,-640) 2190.27,-640 cw(c2190,-640) 2190.27,-640.05 2190.27,-698.03 cw(c2140,-698.03) 2140,-748.3
Bottom Solder:
  region: -0.26,640 cw(c0.01,640) -0.25,640.03 cw(c0.01,640.06) -0.26,640.06 -0.26,640 ccw(c0.01,640) 0.01,639.74 50,639.74 ccw(c50,640) 50.26,640 cw(c100,640) 100,689.74 2080,689.74 cw(c2080,640) 2129.73,640 2129.73,-640 ccw(c2130,-640) 2130,-640.26 2189.87,-640.26 ccw(c2190,-640.04) 2190.27,-640.04 2190.27,-640 ccw(c2190,-640) 2190.27,-639.95 2190.27,698.03 ccw(c2140,698.03) 2140,748.3 50,748.3 ccw(c50,698.03) -0.27,698.03 ccw(c0,698.03) -0.26,697.96
  region: 50,-748.3 cw(c50,-698.03) -0.27,-698.03 -0.27,698.03 cw(c0,698.03) 0.26,698.03 0.26,640.26 50,640.26 cw(c50,640) 50.26,640 50.26,-640 ccw(c100,-640) 100,-689.74 2080,-689.74 ccw(c2080,-640) 2129.73,-640 cw(c2130,-640) 2130,-639.74 2189.74,-639.74 2189.74,698.03 cw(c2190,698.03) 2190.27,698.03 2190.27,-639.95 cw(c2190,-640) 2190.27,-640 cw(c2190,-640) 2190.27,-640.05 2190.27,-698.03 cw(c2140,-698.03) 2140,-748.3
Mechanical 1:
  lines w5: 0,-698.03 ccw(c50,-698.03) 50,-748.03 2140,-748.03 ccw(c2140,-698.03) 2190,-698.03 2190,698.03 ccw(c2140,698.03) 2140,748.03 1930,748.03 50,748.03 ccw(c50,698.03) 0,698.03 0,-698.03